# KiCad board Scopefun_v2.kicad_pcb (continued)
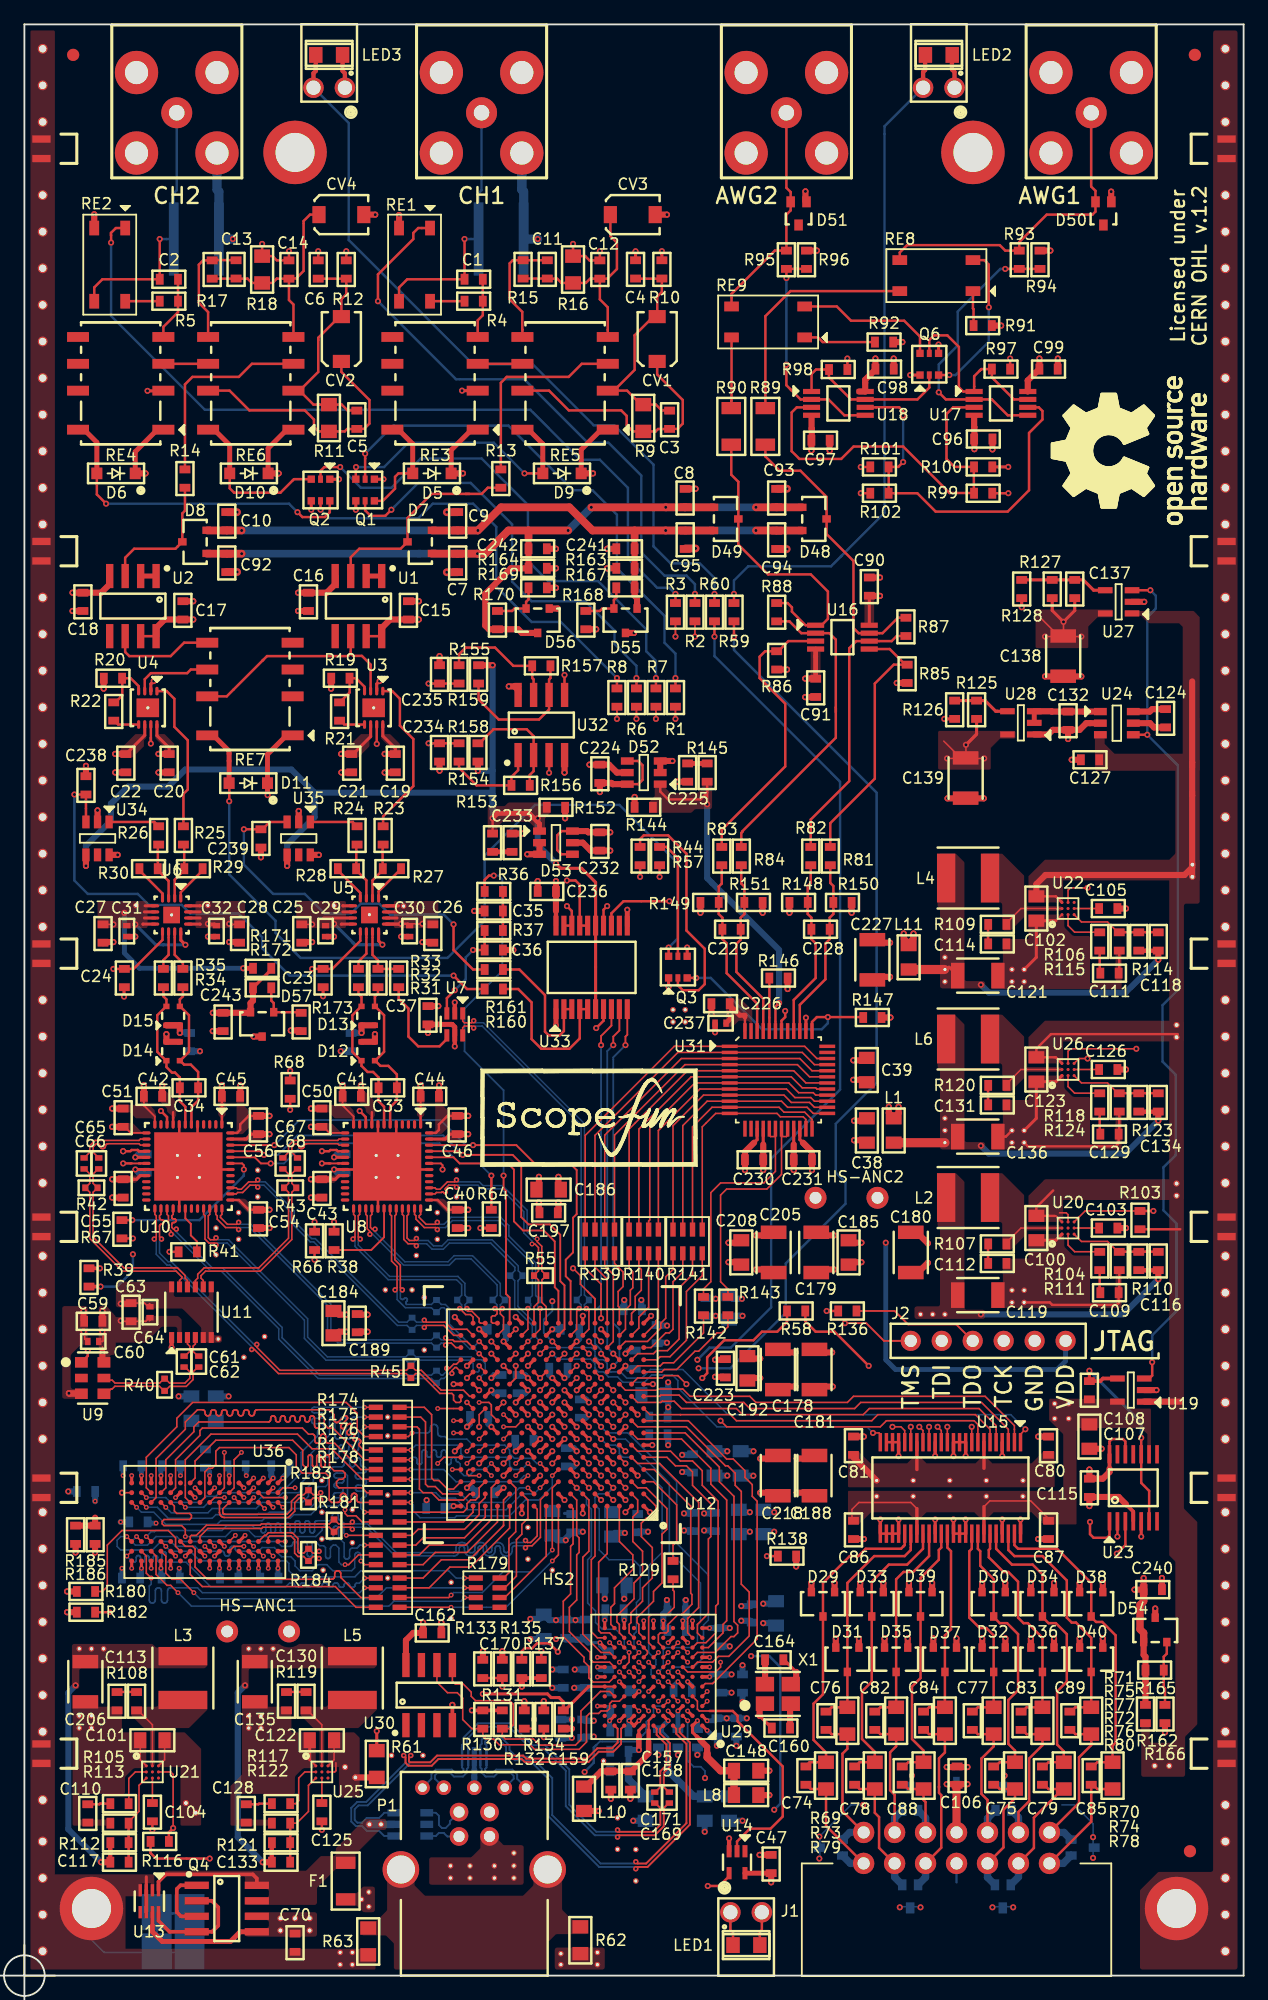
[diagram p0: board, top side]
## Routing (per net, layer and track width the routed paths; a pad name or vN(x,y) marks a point on that pad's centre or on a via; arc(x,y) is an arc through that point) (continued)
-Va: length 53.5
  Top w0.127: 31.83,86.25 v1(32.65,86.25) ; v1(30.9,86.25) 31.72,86.25 ; 27,100.18 26.87,100.18 ; v1(78.72,99.81) 77.23,99.81 v1(77.23,100.93) ; 77.18,99.81 v1(75.68,99.81) ; 76.77,99.81 77.04,99.81 ; 64.89,106.37 64.9,106.36 ; 8.35,100.18 8.32,100.18 ; 26.97,100.18 26.85,100.18 ; 75.4,101.23 76.82,99.81
  Top w0.13: C28.2 16.8,86.2 ; C32.1 15.05,86.1
  Top w0.2: C30.1 31.45,86.25 v1(30.9,86.25) ; v1(68.6,121.56) R102.2 ; v1(15.05,86.25) 15.6,86.25 C32.1
  Top w0.25: U6.15 14.41,87.22 ; U4.6 9.87,101.71 8.35,100.18 ; 30.69,86.21 30.68,86.22 U5.13 30.55,86.22 ; U5.14 30.56,86.72 ; U6.16 14.41,87.72 14.42,87.73 ; 30.68,87.72 U5.16 30.55,87.72 30.56,87.73 ; R125.1 78.1,101.8 v1(77.23,100.93) 78.06,101.76 ; U6.14 14.41,86.72 ; 26.97,100.18 28.4,101.61 U3.6 ; U5.15 30.56,87.22 ; U6.13 14.4,86.22 14.42,86.21
  Top w0.4: U16.4 64.89,106.37
  Top w0.5: 26.87,100.18 v1(25.98,100.18) ; C16.1 24.8,113.4 25.49,114.09 25.49,114.77 ; 64.56,127.88 64.56,126.86 64.58,126.84 64.58,125.89 ; 77.9,127.88 77.9,126.98 77.92,126.96 77.92,126.02 ; v1(44.3,98.65) 44.31,98.66 44.31,100.09 ; 8.34,100.18 v1(7.45,100.18) ; 4.65,113.4 v1(3.95,113.4) ; 64.9,106.36 v1(64.04,106.36) ; U34.2 v1(6,95.55) ; 77.92,125.8 v1(77.92,125.17) ; 42.95,115.4 v1(43.6,115.4) ; v1(64.55,125.05) C97.1 ; 7,114.77 7,114.09 6.3,113.4 C18.1 ; 23.15,113.4 v1(22.45,113.4) ; 22.5,94.55 v1(22.5,95.5)
  vias: v1(16.8,86.25)
/ADC/CH1+: length 13.4
  Top w0.127: 27.62,75.03 D12.1 ; D13.4 27.62,79.48 ; 27.65,80.8 R33.1
  Top w0.2: 27.62,75.03 26.9,75.75 26.9,78.75 27.62,79.48 ; U8.7 29.5,71.25 29.05,71.7 C33.2 29.05,73.65 28.6,74.1 28.15,74.1 27.65,74.6 D12.1 ; R33.1 27.4,80.5 27.65,80.25 D13.4
/ADC/CH1-: length 13.3
  Top w0.127: 28.77,75.03 D12.2 ; D13.3 28.77,79.48
  Top w0.2: 28.77,79.48 29.5,78.75 29.5,75.75 28.77,75.03 29.2,74.6 29.85,74.6 30.55,73.9 C33.1 30.55,71.75 30,71.2 U8.6 ; D13.3 28.75,80.28 29,80.53 R32.1
/ADC/CH2+: length 13
  Top w0.127: 12.8,72.65 12.95,72.8 ; D15.4 11.62,79.48 ; 11.62,75.03 D14.1
  Top w0.2: U10.7 13.2,71.25 12.75,71.7 C34.2 12.75,73.65 12.35,74.05 12.1,74.05 11.65,74.5 D14.1 ; D15.4 11.65,80.05 11.4,80.3 R35.1 ; 11.62,79.48 10.9,78.75 10.9,75.75 11.62,75.03
/ADC/CH2-: length 13.2
  Top w0.127: D15.3 12.77,79.48
  Top w0.2: U10.6 13.7,71.2 14.25,71.75 C34.1 14.25,74.1 13.65,74.7 13.1,74.7 12.77,75.03 ; R34.1 13,80.3 12.75,80.05 D15.3 ; 12.77,75.03 13.5,75.75 13.5,78.75 12.77,79.48 ; 12.77,75.03 D14.2
/ADC/CLK_OUT+: length 9.4
  Top w0.127: 6.52,47.71 6.71,47.71 7.1,48.1 7.2,48.1 7.42,48.32 11.08,48.32 11.45,47.95 R40.2 11.55,47.95 11.92,48.32 13.28,48.32 13.83,48.87 13.83,49.51 14.23,49.9 C62.1
/ADC/CLK_OUT-: length 8.8
  Top w0.127: C61.1 13.17,49.9 13.57,49.51 13.57,48.99 13.16,48.58 11.92,48.58 11.55,48.95 R40.1 11.45,48.95 11.09,48.59 7.43,48.59 7.2,48.83 6.73,48.83 6.55,49
/ADC/IN+: length 1.8
  Top w0.127: U11.3 13.38,51.8 13.57,51.61 13.57,51.19 13.17,50.8 C61.2
/ADC/IN-: length 1.8
  Top w0.127: C62.2 14.23,50.8 13.83,51.19 13.83,51.61 14.02,51.8 14.02,52.33
/ADC/NAPSLP: length 26.1
  Top w0.2: 9.4,67.6 U10.16 9.4,67.6 ; 9.4,67.6 9.3,67.7 ; 9.4,67.6 9.3,67.7 ; 9.3,67.7 8.8,67.7 8.7,67.6 ; v1(8.1,67.6) 8.65,67.6 ; U8.16 25.7,67.6 25.6,67.7 25.1,67.7 25,67.6 ; v1(24.4,67.6) 24.95,67.6 ; v1(21.8,71) R68.1
  In2.Cu w0.2: v1(8.1,67.6) 8.1,68.1 8.9,68.9 16.5,68.9 18.6,71 v1(21.8,71) 21.8,69 23.2,67.6 v1(24.4,67.6)
/ADC/OUT1+: length 16
  Top w0.127: C65.1 4.95,66.15 5.37,65.73 5.37,64.97 R42.1 5.37,64.23 5.37,60.44 8.04,57.77 12.44,57.77 12.92,57.29 12.92,57.19 12.73,57 U11.11
/ADC/OUT1-: length 16
  Top w0.127: C66.1 6.05,66.15 5.63,65.73 5.63,64.97 R42.2 5.63,64.23 5.63,60.56 8.16,58.03 12.56,58.03 13.18,57.41 13.18,57.19 13.38,57 U11.10
/ADC/OUT2+: length 16
  Top w0.127: U11.8 14.67,57 14.48,57.19 14.48,57.39 14.86,57.77 19.34,57.77 21.93,60.36 21.93,64.23 R43.2 21.93,64.97 21.93,65.76 22.33,66.15 C68.1
/ADC/OUT2-: length 16
  Top w0.127: 14.02,56.47 14.02,57 14.22,57.19 14.22,57.51 14.74,58.03 19.23,58.03 21.67,60.47 21.67,64.23 R43.1 21.67,64.97 21.67,65.73 21.25,66.15 C67.1
/ANALOG INPUTS/CH1_VGA: length 18.9
  Top w0.2: 28.4,107.08 U3.3 ; 28.4,107.08 28.4,107.08 ; 28.4,107.08 28.4,107.5 27.69,108.22 26.97,108.22 26.77,108.42 ; 19.55,107.85 19.9,108.2 26.55,108.2 26.77,108.42 ; 19.55,107.85 19.6,107.9 ; 19.55,107.85 16.6,104.9 RE7.7 ; U1.6 26.77,108.42
/ANALOG INPUTS/CH2_VGA: length 9.4
  Top w0.127: 8.27,109.11 U2.6
  Top w0.2: RE7.5 13.1,109.3 12,108.2 8.6,108.2 8.27,108.54 U2.6
/AWG DAC/DA0: length 18.3
  Top w0.127: U31.23 64.1,70.2 63.87,70.43 62,70.43 61.73,70.7 U31.12 56.7,70.7 55.6,69.6 R141.1
/AWG DAC/DA1: length 20.1
  Top w0.127: R141.2 54.8,69.6 56.4,71.2 U31.11 61.9,71.2 62.3,70.8 64,70.8 64.6,70.2 U31.24
/AWG DAC/DA2: length 21.6
  Top w0.127: U31.25 64.7,70.7 64.2,71.2 62.6,71.2 62.1,71.7 U31.10 56,71.7 54,69.7 R141.3
/AWG DAC/DA3: length 22.6
  Top w0.127: U31.26 64.8,71.2 64.4,71.6 62.9,71.6 62.3,72.2 U31.9 55.7,72.2 53.2,69.7 R141.4
/AWG DAC/DA4: length 23.8
  Top w0.127: U31.27 64.8,71.7 64.5,72 63.2,72 62.5,72.7 U31.8 55.4,72.7 52,69.3 R140.1
/AWG DAC/DA5: length 24.9
  Top w0.127: R140.2 51.2,61.88 51.29,61.97 51.29,69.5 54.99,73.2 U31.7 62.7,73.2 63.5,72.4 64.7,72.4 64.9,72.2 U31.28
/AWG DAC/DA6: length 26
  Top w0.127: U31.29 65,72.7 64.9,72.8 63.8,72.8 62.9,73.7 U31.6 54.69,73.7 50.69,69.7 ; R140.3 50.4,69.41 50.69,69.7 ; 50.69,69.7 50.6,69.61
/AWG DAC/DA7: length 26.9
  Top w0.127: R140.4 49.6,69.41 54.39,74.2 U31.5 63.1,74.2 64.1,73.2 U31.30
/AWG DAC/DA8: length 28
  Top w0.127: R139.1 48.4,68.92 54.18,74.7 U31.4 63.4,74.7 64.4,73.7 U31.31
/AWG DAC/DA9: length 29
  Top w0.127: U31.32 64.6,74.2 63.6,75.2 U31.3 53.88,75.2 47.6,68.92 R139.2
/AWG DAC/DA10: length 30
  Top w0.127: U31.33 64.8,74.7 63.8,75.7 U31.2 53.6,75.7 46.8,68.9 R139.3
/AWG DAC/DA11: length 31.2
  Top w0.127: 47.6,70.5 47.7,70.6 ; 47.7,70.6 46,68.9 R139.4 ; 47.7,70.6 53.3,76.2 U31.1 64,76.2 65,75.2 U31.34
/DDR3 SDRAM/DDR3_A0_: length 27.2
  Top w0.127: U36.N3 v2(11.6,38.4) ; R174.3 v2(27.9,45)
  Bottom w0.127: v2(11.6,38.4) 12.05,37.95 15.05,37.95 15.4,38.3 19,38.3 19.5,38.8 22.8,38.8 23.3,39.3 23.3,40.1 23.7,40.5 23.7,40.7 24.2,41.2 24.2,42.8 24.21,42.84 24.22,42.89 24.24,42.92 24.28,42.96 24.31,42.98 24.36,42.99 24.4,43 24.44,42.99 24.49,42.98 24.52,42.96 24.56,42.92 24.58,42.89 24.59,42.84 24.6,42.8 24.6,42.7 24.61,42.66 24.62,42.61 24.64,42.58 24.68,42.54 24.71,42.52 24.76,42.51 24.8,42.5 24.84,42.51 24.89,42.52 24.92,42.54 24.96,42.58 24.98,42.61 24.99,42.66 25,42.7 25,43.3 25.01,43.34 25.02,43.39 25.04,43.42 25.08,43.46 25.11,43.48 25.16,43.49 25.2,43.5 25.24,43.49 25.29,43.48 25.32,43.46 25.36,43.42 25.38,43.39 25.39,43.34 25.4,43.3 25.4,42.6 25.41,42.56 25.42,42.51 25.44,42.48 25.48,42.44 25.51,42.42 25.56,42.41 25.6,42.4 25.64,42.41 25.69,42.42 25.72,42.44 25.76,42.48 25.78,42.51 25.79,42.56 25.8,42.6 25.8,43.3 25.81,43.34 25.82,43.39 25.84,43.42 25.88,43.46 25.91,43.48 25.96,43.49 26,43.5 26.04,43.49 26.09,43.48 26.12,43.46 26.16,43.42 26.18,43.39 26.19,43.34 26.2,43.3 26.2,43.2 26.21,43.16 26.22,43.11 26.24,43.08 26.28,43.04 26.31,43.02 26.36,43.01 26.4,43 26.44,43.01 26.49,43.02 26.52,43.04 26.56,43.08 26.58,43.11 26.59,43.16 26.6,43.2 26.6,43.3 26.61,43.34 26.62,43.39 26.64,43.42 26.68,43.46 26.71,43.48 26.76,43.49 26.8,43.5 26.84,43.49 26.89,43.48 26.92,43.46 26.96,43.42 26.98,43.39 26.99,43.34 27,43.3 27,43.2 27.01,43.16 27.02,43.11 27.04,43.08 27.08,43.04 27.11,43.02 27.16,43.01 27.2,43 27.24,43.01 27.29,43.02 27.32,43.04 27.36,43.08 27.38,43.11 27.39,43.16 27.4,43.2 27.4,44.5 v2(27.9,45)
/DDR3 SDRAM/DDR3_A1_: length 30.1
  Top w0.127: U36.P7 v2(10,36) ; 28.8,36.02 28.83,36.02 ; R177.1 v2(26.4,36.1)
  Bottom w0.127: 23.79,36.46 23.78,36.41 ; 23.79,36.46 23.8,36.5 23.8,37.1 23.81,37.14 23.82,37.19 23.84,37.22 23.88,37.26 23.91,37.28 23.96,37.29 24,37.3 25,37.3 25.06,37.31 25.11,37.32 25.16,37.35 25.2,37.39 25.23,37.44 25.24,37.49 25.25,37.55 25.25,37.7 25.26,37.76 25.27,37.81 25.3,37.86 25.34,37.9 25.39,37.93 25.44,37.94 25.5,37.95 25.56,37.94 25.61,37.93 25.66,37.9 25.7,37.86 25.73,37.81 25.74,37.76 25.75,37.7 25.75,37.55 25.76,37.49 25.77,37.44 25.8,37.39 25.84,37.35 25.89,37.32 25.94,37.31 26,37.3 26.2,37.1 26.2,36.3 v2(26.4,36.1) ; 23.79,36.46 23.78,36.41 ; 23.78,36.41 23.76,36.38 ; 23.78,36.41 23.76,36.38 ; 23.69,36.32 23.72,36.34 ; 23.69,36.32 23.64,36.31 ; 23.69,36.32 23.64,36.31 ; 23.69,36.32 23.72,36.34 ; 23.72,36.34 23.76,36.38 ; 23.72,36.34 23.76,36.38 ; v2(10,36) 10.4,36.4 10.65,36.4 10.75,36.5 16.2,36.5 16.6,36.9 18.7,36.9 18.9,36.7 19.2,36.7 19.24,36.69 19.29,36.68 19.32,36.66 19.36,36.62 19.38,36.59 19.39,36.54 19.41,36.46 19.42,36.41 19.44,36.38 19.48,36.34 19.51,36.32 19.56,36.31 19.6,36.3 19.64,36.31 19.69,36.32 19.72,36.34 19.76,36.38 19.78,36.41 19.79,36.46 19.8,36.5 19.8,36.9 19.81,36.94 19.82,36.99 19.84,37.02 19.88,37.06 19.91,37.08 19.96,37.09 20,37.1 20.04,37.09 20.09,37.08 20.12,37.06 20.16,37.02 20.18,36.99 20.19,36.94 20.2,36.9 20.2,36.5 20.21,36.46 20.22,36.41 20.24,36.38 20.28,36.34 20.31,36.32 20.36,36.31 20.4,36.3 20.44,36.31 20.49,36.32 20.52,36.34 20.56,36.38 20.58,36.41 20.59,36.46 20.6,36.5 20.6,36.9 20.61,36.94 20.62,36.99 20.64,37.02 20.68,37.06 20.71,37.08 20.76,37.09 20.8,37.1 20.84,37.09 20.89,37.08 20.92,37.06 20.96,37.02 20.98,36.99 20.99,36.94 21,36.9 21,36.5 21.01,36.46 21.02,36.41 21.04,36.38 21.08,36.34 21.11,36.32 21.16,36.31 21.2,36.3 21.24,36.31 21.29,36.32 21.32,36.34 21.36,36.38 21.38,36.41 21.39,36.46 21.4,36.5 21.4,36.9 21.41,36.94 21.42,36.99 21.44,37.02 21.48,37.06 21.51,37.08 21.56,37.09 21.6,37.1 21.64,37.09 21.69,37.08 21.72,37.06 21.76,37.02 21.78,36.99 21.79,36.94 21.8,36.9 21.8,36.5 21.81,36.46 21.82,36.41 21.84,36.38 21.88,36.34 21.91,36.32 21.96,36.31 22,36.3 22.04,36.31 22.09,36.32 22.12,36.34 22.16,36.38 22.18,36.41 22.19,36.46 22.2,36.5 22.2,37.1 22.21,37.14 22.22,37.19 22.24,37.22 22.28,37.26 22.31,37.28 22.36,37.29 22.4,37.3 22.44,37.29 22.49,37.28 22.52,37.26 22.56,37.22 22.58,37.19 22.59,37.14 22.6,37.1 22.6,36.5 22.61,36.46 22.62,36.41 22.64,36.38 22.68,36.34 22.71,36.32 22.76,36.31 22.8,36.3 22.84,36.31 22.89,36.32 22.92,36.34 22.96,36.38 22.98,36.41 22.99,36.46 23,36.5 23,37.1 23.01,37.14 23.02,37.19 23.04,37.22 23.08,37.26 23.11,37.28 23.16,37.29 23.2,37.3 23.24,37.29 23.29,37.28 23.32,37.26 23.36,37.22 23.38,37.19 23.39,37.14 23.4,37.1 23.4,36.5 23.41,36.46 23.42,36.41 23.44,36.38 23.48,36.34 23.51,36.32 23.56,36.31 23.6,36.3 ; 23.64,36.31 23.6,36.3 ; 23.64,36.31 23.6,36.3
/DDR3 SDRAM/DDR3_A2_: length 32.5
  Top w0.127: U36.P3 10.8,39.2 10.8,42.4 13.2,44.8 13.2,45.4 14.2,46.4 14.6,46.4 14.65,46.39 14.7,46.38 14.74,46.35 14.78,46.32 14.8,46.27 14.82,46.23 14.83,46.18 14.83,46.12 14.83,46.07 14.85,46.03 14.87,45.98 14.91,45.95 14.95,45.92 15,45.91 15.05,45.9 15.1,45.91 15.15,45.92 15.19,45.95 15.23,45.98 15.25,46.03 15.27,46.07 15.27,46.12 15.27,46.18 15.28,46.23 15.3,46.27 15.32,46.32 15.36,46.35 15.4,46.38 15.45,46.39 15.5,46.4 15.55,46.39 15.6,46.38 15.64,46.35 15.68,46.32 15.7,46.27 15.72,46.23 15.73,46.18 15.73,46.12 15.73,46.07 15.75,46.03 15.77,45.98 15.81,45.95 15.85,45.92 15.9,45.91 15.95,45.9 16,45.91 16.05,45.92 16.09,45.95 16.13,45.98 16.15,46.03 16.17,46.07 16.17,46.12 16.17,46.18 16.18,46.23 16.2,46.27 16.22,46.32 16.26,46.35 16.3,46.38 16.35,46.39 16.4,46.4 16.45,46.39 16.5,46.38 16.54,46.35 16.58,46.32 16.6,46.27 16.62,46.23 16.62,46.18 16.62,46.12 16.63,46.07 16.65,46.03 16.67,45.98 16.71,45.95 16.75,45.92 16.8,45.91 16.85,45.9 16.9,45.91 16.95,45.92 16.99,45.95 17.03,45.98 17.05,46.03 17.07,46.07 17.08,46.12 17.08,46.18 17.08,46.23 17.1,46.27 17.12,46.32 17.16,46.35 17.2,46.38 17.25,46.39 17.3,46.4 17.35,46.39 17.4,46.38 17.44,46.35 17.48,46.32 17.5,46.27 17.52,46.23 17.52,46.18 17.52,46.12 17.53,46.07 17.55,46.03 17.57,45.98 17.61,45.95 17.65,45.92 17.7,45.91 17.75,45.9 17.8,45.91 17.85,45.92 17.89,45.95 17.93,45.98 17.95,46.03 17.97,46.07 17.98,46.12 17.98,46.18 17.98,46.23 18,46.27 18.02,46.32 18.06,46.35 18.1,46.38 18.15,46.39 18.2,46.4 18.25,46.39 18.3,46.38 18.34,46.35 18.38,46.32 18.4,46.27 18.42,46.23 18.42,46.18 18.42,46.12 18.43,46.07 18.45,46.03 18.47,45.98 18.51,45.95 18.55,45.92 18.6,45.91 18.65,45.9 18.7,45.91 18.75,45.92 18.79,45.95 18.83,45.98 18.85,46.03 18.87,46.07 18.88,46.12 18.88,46.18 18.88,46.23 18.9,46.27 18.92,46.32 18.96,46.35 19,46.38 19.05,46.39 19.1,46.4 25,46.4 25.4,46 25.4,45.5 25.5,45.4 25.53,45.38 25.56,45.36 25.6,45.35 25.64,45.35 25.68,45.36 25.72,45.38 25.75,45.4 26.2,45.86 26.24,45.88 26.27,45.9 26.31,45.91 26.35,45.91 26.39,45.9 26.42,45.88 26.45,45.86 26.48,45.83 26.5,45.79 26.51,45.75 26.51,45.71 26.5,45.68 26.48,45.64 26.45,45.61 26,45.15 25.97,45.12 25.96,45.09 25.95,45.05 25.95,45.01 25.96,44.97 25.97,44.93 26,44.9 26.03,44.88 26.06,44.86 26.1,44.85 26.14,44.85 26.18,44.86 26.22,44.88 26.25,44.9 26.56,45.22 26.59,45.24 26.63,45.26 26.67,45.27 26.71,45.27 26.75,45.26 26.78,45.24 26.81,45.22 26.84,45.19 26.86,45.15 26.86,45.11 26.86,45.07 26.86,45.03 26.84,45 26.81,44.97 26.5,44.65 26.47,44.62 26.46,44.58 26.45,44.55 26.45,44.51 26.46,44.47 26.47,44.43 26.5,44.4 26.53,44.38 26.57,44.36 26.6,44.35 26.64,44.35 26.68,44.36 26.72,44.38 26.75,44.4 26.78,44.43 26.81,44.46 26.85,44.48 26.89,44.48 26.93,44.48 26.97,44.48 27,44.46 27.03,44.43 27.06,44.4 27.07,44.37 27.08,44.33 27.08,44.29 27.07,44.25 27.06,44.21 27.03,44.18 27,44.15 26.97,44.12 26.96,44.08 26.95,44.05 26.95,44.01 26.96,43.97 26.97,43.93 27,43.9 27.03,43.88 27.07,43.86 27.1,43.85 27.14,43.85 27.18,43.86 27.22,43.88 27.25,43.9 27.28,43.93 27.31,43.96 27.35,43.98 27.39,43.98 27.43,43.98 27.47,43.98 27.5,43.96 27.53,43.93 27.56,43.9 27.57,43.87 27.58,43.83 27.58,43.79 27.57,43.75 27.56,43.71 27.53,43.68 27.5,43.65 27.48,43.62 27.46,43.58 27.45,43.54 27.45,43.51 27.46,43.47 27.48,43.43 27.5,43.4 27.8,43.1 R175.1
/DDR3 SDRAM/DDR3_A3_: length 28
  Top w0.127: U36.N2 11.6,40 11.6,42.3 13.9,44.6 13.9,45 14.3,45.4 20,45.4 20.04,45.41 20.09,45.42 20.12,45.44 20.16,45.48 20.18,45.51 20.19,45.56 20.2,45.6 20.2,45.7 20.21,45.74 20.22,45.79 20.24,45.82 20.28,45.86 20.31,45.88 20.36,45.89 20.4,45.9 20.44,45.89 20.49,45.88 20.52,45.86 20.56,45.82 20.58,45.79 20.59,45.74 20.6,45.7 20.6,45.6 20.61,45.56 20.62,45.51 20.64,45.48 20.68,45.44 20.71,45.42 20.76,45.41 20.8,45.4 20.84,45.41 20.89,45.42 20.92,45.44 20.96,45.48 20.98,45.51 20.99,45.56 21,45.6 21,45.7 21.01,45.74 21.02,45.79 21.04,45.82 21.08,45.86 21.11,45.88 21.16,45.89 21.2,45.9 21.24,45.89 21.29,45.88 21.32,45.86 21.36,45.82 21.38,45.79 21.39,45.74 21.4,45.7 21.4,45.6 21.41,45.56 21.42,45.51 21.44,45.48 21.48,45.44 21.51,45.42 21.56,45.41 21.6,45.4 21.64,45.41 21.69,45.42 21.72,45.44 21.76,45.48 21.78,45.51 21.79,45.56 21.8,45.6 21.8,45.7 21.81,45.74 21.82,45.79 21.84,45.82 21.88,45.86 21.91,45.88 21.96,45.89 22,45.9 22.04,45.89 22.09,45.88 22.12,45.86 22.16,45.82 22.18,45.79 22.19,45.74 22.2,45.7 22.2,45.6 22.21,45.56 22.22,45.51 22.24,45.48 22.28,45.44 22.31,45.42 22.36,45.41 22.4,45.4 22.44,45.41 22.49,45.42 22.52,45.44 22.56,45.48 22.58,45.51 22.59,45.56 22.6,45.6 22.6,45.7 22.61,45.74 22.62,45.79 22.64,45.82 22.68,45.86 22.71,45.88 22.76,45.89 22.8,45.9 22.84,45.89 22.89,45.88 22.92,45.86 22.96,45.82 22.98,45.79 22.99,45.74 23,45.7 23,45.6 23.01,45.56 23.02,45.51 23.04,45.48 23.08,45.44 23.11,45.42 23.16,45.41 23.2,45.4 23.24,45.41 23.29,45.42 23.32,45.44 23.36,45.48 23.38,45.51 23.39,45.56 23.4,45.6 23.4,45.7 23.41,45.74 23.42,45.79 23.44,45.82 23.48,45.86 23.51,45.88 23.56,45.89 23.6,45.9 23.64,45.89 23.69,45.88 23.72,45.86 23.76,45.82 23.78,45.79 23.79,45.74 23.8,45.7 23.8,45.1 23.81,45.06 23.82,45.01 23.84,44.98 23.88,44.94 23.91,44.92 23.96,44.91 24,44.9 24.04,44.91 24.09,44.92 24.12,44.94 24.16,44.98 24.18,45.01 24.19,45.06 24.2,45.1 24.2,45.7 24.21,45.74 24.22,45.79 24.24,45.82 24.28,45.86 24.31,45.88 24.36,45.89 24.4,45.9 24.44,45.89 24.49,45.88 24.52,45.86 24.56,45.82 24.58,45.79 24.59,45.74 24.6,45.7 24.6,45.2 24.9,44.9 25.3,44.9 27.9,42.3 R175.2
/DDR3 SDRAM/DDR3_A4_: length 29.7
  Top w0.127: R179.3 v2(36.1,31) ; U36.P8 10.8,34.4 10.8,32.9 11.7,32 12,32 v2(12.6,31.4)
  Bottom w0.127: v2(12.6,31.4) 13.7,30.3 29.9,30.3 30.3,30.7 35.8,30.7 v2(36.1,31)
/DDR3 SDRAM/DDR3_A5_: length 26.1
  Top w0.127: U36.P2 10,40 10,42.5 12.5,45 12.5,45.7 13.8,47 26.4,47 27.3,46.1 27.3,44.8 27.9,44.2 R174.4
/DDR3 SDRAM/DDR3_A6_: length 26.6
  Top w0.127: v2(27.9,31.8) R178.2 ; v2(10.4,32.6) 10,33 10,34.4 U36.R8
  Bottom w0.127: v2(10.4,32.6) 10.4,32.1 10.24,31.94 10.24,30.8 10.25,30.74 10.26,30.69 10.29,30.64 10.33,30.6 10.38,30.57 10.43,30.56 10.49,30.55 10.55,30.56 10.6,30.57 10.65,30.6 10.69,30.64 10.72,30.69 10.73,30.74 10.74,30.8 10.74,31.55 10.75,31.61 10.76,31.66 10.79,31.71 10.83,31.75 10.88,31.78 10.93,31.79 10.99,31.8 11.05,31.79 11.1,31.78 11.15,31.75 11.19,31.71 11.22,31.66 11.23,31.61 11.24,31.55 11.24,30.8 11.25,30.74 11.26,30.69 11.29,30.64 11.33,30.6 11.38,30.57 11.43,30.56 11.49,30.55 11.55,30.56 11.6,30.57 11.65,30.6 11.69,30.64 11.72,30.69 11.73,30.74 11.74,30.8 11.74,31.55 11.75,31.61 11.76,31.66 11.79,31.71 11.83,31.75 11.88,31.78 11.93,31.79 11.99,31.8 14.2,31.8 14.6,31.4 27.5,31.4 v2(27.9,31.8)
/DDR3 SDRAM/DDR3_A7_: length 28.3
  Top w0.127: R174.1 v2(27.9,46.6) ; U36.R2 v2(10,39.2)
  Bottom w0.127: v2(10,39.2) 11.6,39.2 12,38.8 14.4,38.8 14.9,39.3 15.7,39.3 16,39.6 20.6,39.6 21.02,40.02 21.5,40.02 22.5,41.02 22.52,41.02 22.7,41.2 22.7,42.9 24.04,44.24 24.04,44.57 24.05,44.58 24.06,44.63 24.08,44.67 24.1,44.72 24.14,44.75 24.18,44.78 24.23,44.79 24.28,44.8 24.33,44.8 24.38,44.81 24.43,44.82 24.47,44.85 24.5,44.88 24.53,44.93 24.55,44.97 24.55,45.03 24.55,45.08 24.53,45.12 24.5,45.17 24.47,45.2 24.43,45.23 24.38,45.24 24.33,45.25 23.78,45.25 23.73,45.26 23.68,45.27 23.64,45.3 23.6,45.33 23.58,45.38 23.56,45.42 23.55,45.48 23.56,45.53 23.58,45.57 23.6,45.62 23.64,45.65 23.68,45.68 23.73,45.69 23.78,45.7 24.33,45.7 24.38,45.71 24.43,45.72 24.47,45.75 24.5,45.78 24.53,45.83 24.55,45.87 24.55,45.93 24.55,45.98 24.53,46.02 24.5,46.07 24.47,46.1 24.43,46.13 24.38,46.14 24.33,46.15 23.78,46.15 23.73,46.16 23.68,46.17 23.64,46.2 23.6,46.23 23.58,46.28 23.56,46.32 23.55,46.38 23.56,46.43 23.58,46.47 23.6,46.52 23.64,46.55 23.68,46.58 23.73,46.59 23.78,46.6 23.83,46.6 v2(27.9,46.6)
/DDR3 SDRAM/DDR3_A8_: length 28.5
  Top w0.127: R178.1 v2(27.9,32.6) ; U36.T8 v2(8.4,34.4)
  Bottom w0.127: v2(27.9,32.6) 27.49,32.19 27.26,32.19 27.22,32.17 27.19,32.15 27.16,32.13 27.14,32.09 27.13,32.06 27.12,31.98 27.11,31.94 27.09,31.91 27.06,31.88 27.03,31.86 26.99,31.85 26.95,31.84 26.85,31.84 26.81,31.85 26.77,31.86 26.74,31.88 26.71,31.91 26.69,31.94 26.68,31.98 26.67,32.06 26.66,32.09 26.64,32.13 26.61,32.15 26.58,32.17 26.54,32.19 26.5,32.19 26.4,32.19 26.36,32.19 26.32,32.17 26.29,32.15 26.26,32.13 26.24,32.09 26.23,32.06 26.22,31.98 26.21,31.94 26.19,31.91 26.16,31.88 26.13,31.86 26.09,31.85 26.05,31.84 25.95,31.84 25.91,31.85 25.87,31.86 25.84,31.88 25.81,31.91 25.79,31.94 25.78,31.98 25.77,32.06 25.76,32.09 25.74,32.13 25.71,32.15 25.68,32.17 25.64,32.19 25.6,32.19 25.5,32.19 25.46,32.19 25.42,32.17 25.39,32.15 25.36,32.13 25.34,32.09 25.33,32.06 25.32,31.98 25.31,31.94 25.29,31.91 25.26,31.88 25.23,31.86 25.19,31.85 25.15,31.84 25.05,31.84 25.01,31.85 24.97,31.86 24.94,31.88 24.91,31.91 24.89,31.94 24.88,31.98 24.87,32.06 24.86,32.09 24.84,32.13 24.81,32.15 24.78,32.17 24.74,32.19 24.7,32.19 24.6,32.19 24.56,32.19 24.52,32.17 24.49,32.15 24.46,32.13 24.44,32.09 24.43,32.06 24.42,31.98 24.41,31.94 24.39,31.91 24.36,31.88 24.33,31.86 24.29,31.85 24.25,31.84 24.15,31.84 24.11,31.85 24.07,31.86 24.04,31.88 24.01,31.91 23.99,31.94 23.98,31.98 23.97,32.06 23.96,32.09 23.94,32.13 23.91,32.15 23.88,32.17 23.84,32.19 23.8,32.19 23.7,32.19 23.66,32.19 23.62,32.17 23.59,32.15 23.56,32.13 23.54,32.09 23.53,32.06 23.52,31.98 23.51,31.94 23.49,31.91 23.46,31.88 23.43,31.86 23.39,31.85 23.35,31.84 23.25,31.84 23.21,31.85 23.17,31.86 23.14,31.88 23.11,31.91 23.09,31.94 23.08,31.98 23.07,32.06 23.06,32.09 23.04,32.13 23.01,32.15 22.98,32.17 22.94,32.19 22.9,32.19 22.8,32.19 22.76,32.19 22.72,32.17 22.69,32.15 22.66,32.13 22.64,32.09 22.63,32.06 22.62,31.98 22.61,31.94 22.59,31.91 22.56,31.88 22.53,31.86 22.49,31.85 22.45,31.84 22.35,31.84 22.31,31.85 22.27,31.86 22.24,31.88 22.21,31.91 22.19,31.94 22.18,31.98 22.17,32.06 22.16,32.09 22.14,32.13 22.11,32.15 22.08,32.17 22.04,32.19 21.75,32.19 21.41,31.85 15.32,31.85 13.26,33.9 11.76,33.9 11.72,33.92 11.69,33.94 11.66,33.97 11.64,34 11.63,34.04 11.62,34.08 11.62,34.58 11.62,34.61 11.61,34.65 11.59,34.68 11.56,34.71 11.53,34.73 11.49,34.75 11.45,34.75 11.41,34.75 11.37,34.73 11.34,34.71 11.31,34.68 11.29,34.65 11.28,34.61 11.27,34.58 11.27,34.08 11.27,34.04 11.26,34 11.24,33.97 11.21,33.94 11.18,33.92 11.14,33.9 11.1,33.9 11.06,33.9 11.02,33.92 10.99,33.94 10.96,33.97 10.94,34 10.93,34.04 10.93,34.08 10.93,34.28 10.92,34.31 10.91,34.35 10.89,34.38 10.86,34.41 10.83,34.43 10.79,34.45 10.75,34.45 10.71,34.45 10.67,34.43 10.64,34.41 10.61,34.38 10.59,34.35 10.58,34.31 10.57,34.28 10.57,34.08 10.57,34.04 10.56,34 10.54,33.97 10.51,33.94 10.48,33.92 10.44,33.9 10.4,33.9 10.36,33.9 10.32,33.92 10.29,33.94 10.26,33.97 10.24,34 10.23,34.04 10.23,34.08 10.23,34.28 10.22,34.31 10.21,34.35 10.19,34.38 10.16,34.41 10.13,34.43 10.09,34.45 10.05,34.45 10.01,34.45 9.97,34.43 9.94,34.41 9.91,34.38 9.89,34.35 9.88,34.31 9.88,34.28 9.88,34.08 9.87,34.04 9.86,34 9.84,33.97 9.81,33.94 9.78,33.92 9.74,33.9 9.7,33.9 9.66,33.9 9.62,33.92 9.59,33.94 9.56,33.97 9.54,34 9.53,34.04 9.52,34.08 9.52,34.28 9.52,34.31 9.51,34.35 9.49,34.38 9.46,34.41 9.43,34.43 9.39,34.45 9.35,34.45 9.31,34.45 9.27,34.43 9.24,34.41 9.21,34.38 9.19,34.35 9.18,34.31 9.18,34.28 9.18,34.08 9.17,34.04 9.16,34 9.14,33.97 9.11,33.94 9.08,33.92 9.04,33.9 9,33.9 8.9,33.9 v2(8.4,34.4)
/DDR3 SDRAM/DDR3_A9_: length 31.9
  Top w0.127: v2(27.9,38) R176.3 ; U36.R3 v2(10,38.4)
  Bottom w0.127: v2(10,38.4) 10.9,38.4 11.8,37.5 15.4,37.5 15.7,37.8 19.1,37.8 19.2,37.9 20,37.9 20.1,38 21.6,38 21.9,38.3 23.4,38.3 23.8,38.7 23.8,39.8 24.1,40.1 24.7,40.1 24.9,40.3 24.9,41.3 25.32,41.72 26,41.72 26.05,41.72 26.1,41.74 26.14,41.77 26.18,41.8 26.2,41.85 26.22,41.89 26.23,41.94 26.23,42.24 26.23,42.29 26.25,42.34 26.27,42.38 26.31,42.42 26.35,42.45 26.4,42.46 26.45,42.47 26.5,42.46 26.55,42.45 26.59,42.42 26.63,42.38 26.65,42.34 26.67,42.29 26.67,42.24 26.67,41.94 26.68,41.89 26.7,41.85 26.72,41.8 26.76,41.77 26.8,41.74 26.85,41.72 26.9,41.72 26.95,41.72 27,41.74 27.04,41.77 27.08,41.8 27.1,41.85 27.12,41.89 27.12,41.94 27.12,42.24 27.13,42.29 27.15,42.34 27.17,42.38 27.21,42.42 27.25,42.45 27.3,42.46 27.35,42.47 27.4,42.46 27.45,42.45 27.49,42.42 27.53,42.38 27.55,42.34 27.57,42.29 27.58,42.24 27.58,41.94 27.58,41.89 27.6,41.85 27.62,41.8 27.66,41.77 27.7,41.74 27.75,41.72 27.8,41.72 27.88,41.72 27.92,41.7 27.97,41.68 28,41.64 28.03,41.6 28.04,41.55 28.05,41.5 28.05,41.45 28.04,41.4 28.03,41.35 28,41.31 27.97,41.27 27.92,41.25 27.88,41.23 27.83,41.22 27.38,41.22 27.32,41.22 27.28,41.2 27.23,41.18 27.2,41.14 27.17,41.1 27.16,41.05 27.15,41 27.15,40.95 27.16,40.9 27.17,40.85 27.2,40.81 27.23,40.77 27.28,40.75 27.32,40.73 27.38,40.72 27.83,40.72 27.88,40.72 27.92,40.7 27.97,40.68 28,40.64 28.03,40.6 28.04,40.55 28.05,40.5 28.05,40.45 28.04,40.4 28.03,40.35 28,40.31 27.97,40.27 27.92,40.25 27.88,40.23 27.83,40.22 27.38,40.22 27.32,40.22 27.28,40.2 27.23,40.18 27.2,40.14 27.17,40.1 27.16,40.05 27.15,40 27.15,39.95 27.16,39.9 27.17,39.85 27.2,39.81 27.23,39.77 27.28,39.75 27.32,39.73 27.38,39.72 27.83,39.72 27.88,39.72 27.92,39.7 27.97,39.68 28,39.64 28.03,39.6 28.04,39.55 28.05,39.5 28.05,39.45 28.04,39.4 28.03,39.35 28,39.31 27.97,39.27 27.92,39.25 27.88,39.23 27.77,39.22 27.73,39.2 27.68,39.18 27.65,39.14 27.62,39.1 27.61,39.05 27.6,39 27.6,38.3 v2(27.9,38)
/DDR3 SDRAM/DDR3_A10_: length 19.8
  Top w0.127: U36.L7 13.2,35.2 13.8,35.2 14,35 14,33.5 15,32.5 25.2,32.5 25.26,32.51 25.31,32.52 25.36,32.55 25.4,32.59 25.43,32.64 25.44,32.69 25.45,32.75 25.45,32.95 25.46,33.01 25.47,33.06 25.5,33.11 25.54,33.15 25.59,33.18 25.64,33.19 25.7,33.2 25.76,33.19 25.81,33.18 25.86,33.15 25.9,33.11 25.93,33.06 25.94,33.01 25.95,32.95 25.95,32.75 25.96,32.69 25.97,32.64 26,32.59 27.6,31 R178.3
/DDR3 SDRAM/DDR3_A11_: length 29
  Top w0.127: v2(26.3,33.7) 26.6,33.7 27.4,34.5 R177.3 ; U36.R7 v2(9.2,36)
  Bottom w0.127: v2(9.2,36) 8.9,35.7 8.9,35.5 9.1,35.3 10.1,35.3 10.8,36 12.5,36 12.9,35.6 20.7,35.6 21.1,35.2 21.8,35.2 21.84,35.21 21.89,35.22 21.92,35.24 21.96,35.28 21.98,35.31 21.99,35.36 22.01,35.44 22.02,35.49 22.04,35.52 22.08,35.56 22.11,35.58 22.16,35.59 22.2,35.6 22.24,35.59 22.29,35.58 22.32,35.56 22.36,35.52 22.38,35.49 22.39,35.44 22.4,35.4 22.4,35 22.41,34.96 22.42,34.91 22.44,34.88 22.48,34.84 22.51,34.82 22.56,34.81 22.6,34.8 22.64,34.81 22.69,34.82 22.72,34.84 22.76,34.88 22.78,34.91 22.79,34.96 22.8,35 22.8,35.4 22.81,35.44 22.82,35.49 22.84,35.52 22.88,35.56 22.91,35.58 22.96,35.59 23,35.6 23.04,35.59 23.09,35.58 23.12,35.56 23.16,35.52 23.18,35.49 23.19,35.44 23.2,35.4 23.2,34.55 23.21,34.51 23.22,34.46 23.24,34.43 23.28,34.39 23.31,34.37 23.36,34.36 23.4,34.35 23.44,34.36 23.49,34.37 23.52,34.39 23.56,34.43 23.58,34.46 23.59,34.51 23.6,34.55 23.6,35.4 23.61,35.44 23.62,35.49 23.64,35.52 23.68,35.56 23.71,35.58 23.76,35.59 23.8,35.6 23.84,35.59 23.89,35.58 23.92,35.56 23.96,35.52 23.98,35.49 24.22,35.25 24.55,35.25 24.7,35.1 24.7,34.4 24.71,34.36 24.72,34.31 24.74,34.28 24.78,34.24 24.81,34.22 24.86,34.21 24.9,34.2 24.94,34.21 24.99,34.22 25.02,34.24 25.06,34.28 25.08,34.31 25.09,34.36 25.1,34.4 25.1,35 25.11,35.04 25.12,35.09 25.14,35.12 25.32,35.3 25.55,35.3 25.8,35.05 25.8,33.9 26,33.7 v2(26.3,33.7)